# KiCad board Si5351ABreakout_panel.kicad_pcb (continued)
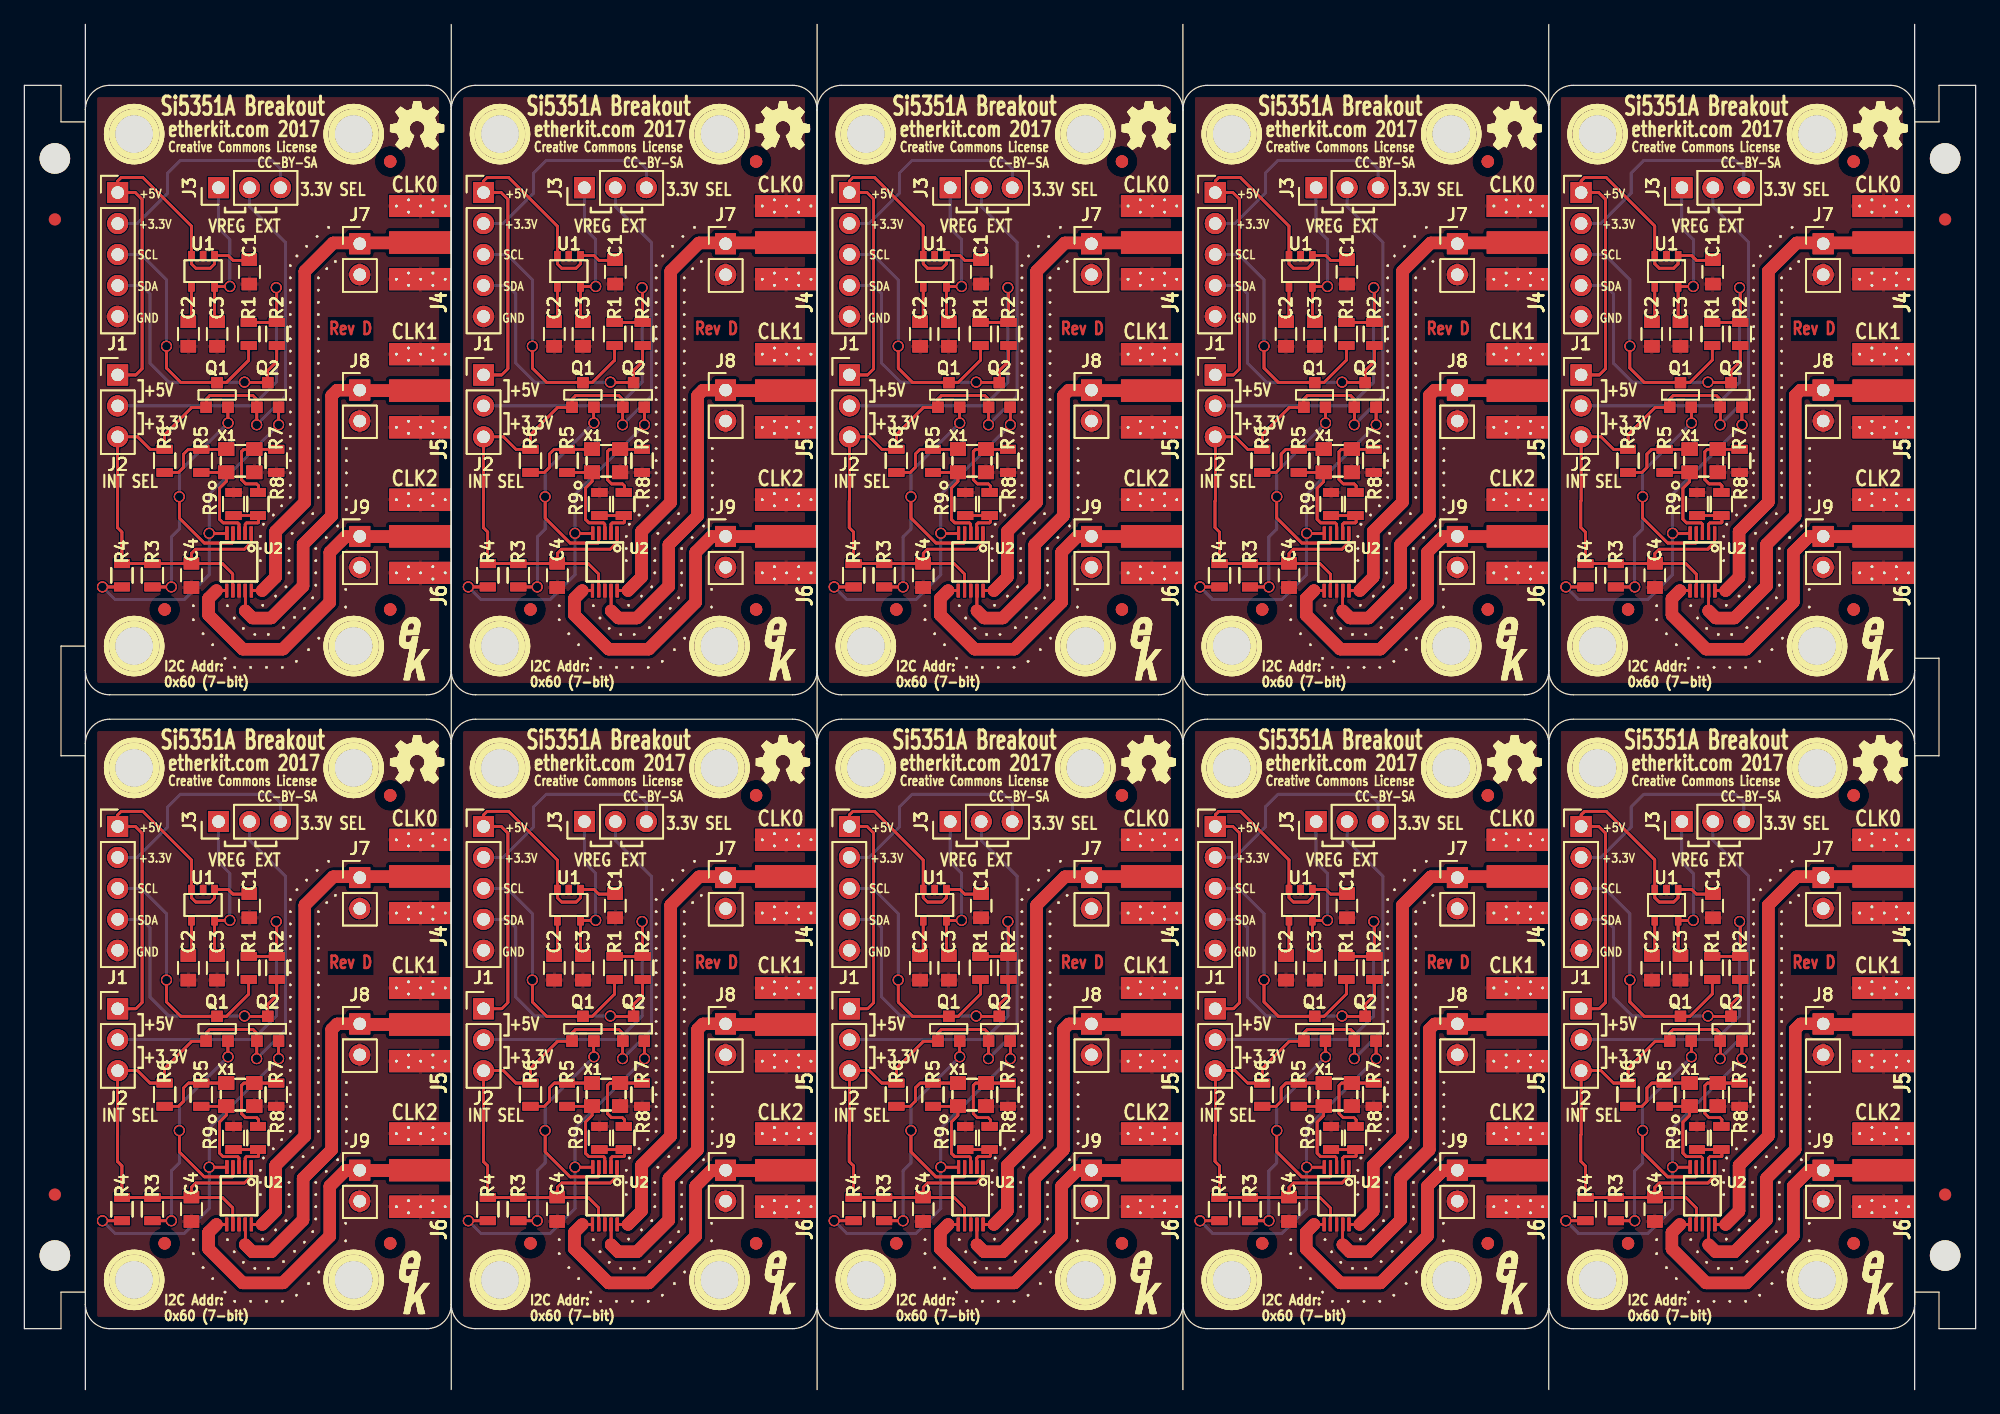
[diagram p0: board, top side]
## Routing (per net, layer and track width the routed paths; a pad name or vN(x,y) marks a point on that pad's centre or on a via; arc(x,y) is an arc through that point) (continued)
Net-(J2-Pad2): length 1069.1
  Top w0.2: R2.1 20.7,90.35 ; R2.1 20.7,90.35 ; R2.1 20.7,90.35 ; R2.1 20.7,90.35 ; 20.7,90.35 v1(20.65,90.4) ; 20.7,90.35 v1(20.65,90.4) ; 20.7,90.35 v1(20.65,90.4) ; 20.7,90.35 v1(20.65,90.4) ; 20.7,87.55 18.4,87.55 ; 20.7,87.55 18.4,87.55 ; 20.7,87.55 18.4,87.55 ; 20.7,87.55 18.4,87.55 ; R2#2.1 50.7,90.35 ; R2#2.1 50.7,90.35 ; R2#2.1 50.7,90.35 ; R2#2.1 50.7,90.35 ; 50.7,90.35 v1(50.65,90.4) ; 50.7,90.35 v1(50.65,90.4) ; 50.7,90.35 v1(50.65,90.4) ; 50.7,90.35 v1(50.65,90.4) ; 50.7,87.55 48.4,87.55 ; 50.7,87.55 48.4,87.55 ; 50.7,87.55 48.4,87.55 ; 50.7,87.55 48.4,87.55 ; R2#3.1 80.7,90.35 ; R2#3.1 80.7,90.35 ; R2#3.1 80.7,90.35 ; R2#3.1 80.7,90.35 ; 80.7,90.35 v1(80.65,90.4) ; 80.7,90.35 v1(80.65,90.4) ; 80.7,90.35 v1(80.65,90.4) ; 80.7,90.35 v1(80.65,90.4) ; 80.7,87.55 78.4,87.55 ; 80.7,87.55 78.4,87.55 ; 80.7,87.55 78.4,87.55 ; 80.7,87.55 78.4,87.55 ; R2#4.1 110.7,90.35 ; R2#4.1 110.7,90.35 ; R2#4.1 110.7,90.35 ; R2#4.1 110.7,90.35 ; 110.7,90.35 v1(110.65,90.4) ; 110.7,90.35 v1(110.65,90.4) ; 110.7,90.35 v1(110.65,90.4) ; 110.7,90.35 v1(110.65,90.4) ; 110.7,87.55 108.4,87.55 ; 110.7,87.55 108.4,87.55 ; 110.7,87.55 108.4,87.55 ; 110.7,87.55 108.4,87.55 ; R2#5.1 140.7,90.35 ; R2#5.1 140.7,90.35 ; R2#5.1 140.7,90.35 ; R2#5.1 140.7,90.35 ; 140.7,90.35 v1(140.65,90.4) ; 140.7,90.35 v1(140.65,90.4) ; 140.7,90.35 v1(140.65,90.4) ; 140.7,90.35 v1(140.65,90.4) ; 140.7,87.55 138.4,87.55 ; 140.7,87.55 138.4,87.55 ; 140.7,87.55 138.4,87.55 ; 140.7,87.55 138.4,87.55 ; 110.7,38.35 v1(110.65,38.4) ; 110.7,38.35 v1(110.65,38.4) ; 110.7,38.35 v1(110.65,38.4) ; 110.7,38.35 v1(110.65,38.4) ; 110.7,38.35 R2#37.1 ; 110.7,38.35 R2#37.1 ; 110.7,38.35 R2#37.1 ; 110.7,38.35 R2#37.1 ; 140.7,38.35 v1(140.65,38.4) ; 140.7,38.35 v1(140.65,38.4) ; 140.7,38.35 v1(140.65,38.4) ; 140.7,38.35 v1(140.65,38.4) ; 140.7,38.35 R2#33.1 ; 140.7,38.35 R2#33.1 ; 140.7,38.35 R2#33.1 ; 140.7,38.35 R2#33.1 ; 140.7,35.55 138.4,35.55 ; 140.7,35.55 138.4,35.55 ; 140.7,35.55 138.4,35.55 ; 140.7,35.55 138.4,35.55 ; 110.7,35.55 108.4,35.55 ; 110.7,35.55 108.4,35.55 ; 110.7,35.55 108.4,35.55 ; 110.7,35.55 108.4,35.55 ; R2#25.1 80.7,38.35 ; R2#25.1 80.7,38.35 ; R2#25.1 80.7,38.35 ; R2#25.1 80.7,38.35 ; 80.7,38.35 v1(80.65,38.4) ; 80.7,38.35 v1(80.65,38.4) ; 80.7,38.35 v1(80.65,38.4) ; 80.7,38.35 v1(80.65,38.4) ; 80.7,35.55 78.4,35.55 ; 80.7,35.55 78.4,35.55 ; 80.7,35.55 78.4,35.55 ; 80.7,35.55 78.4,35.55 ; 20.7,35.55 18.4,35.55 ; 20.7,35.55 18.4,35.55 ; 20.7,35.55 18.4,35.55 ; 20.7,35.55 18.4,35.55 ; 20.7,38.35 v1(20.65,38.4) ; 20.7,38.35 v1(20.65,38.4) ; 20.7,38.35 R2#21.1 ; 20.7,38.35 R2#21.1 ; 20.7,38.35 v1(20.65,38.4) ; 20.7,38.35 v1(20.65,38.4) ; 20.7,38.35 R2#21.1 ; 20.7,38.35 R2#21.1 ; R2#29.1 50.7,38.35 ; R2#29.1 50.7,38.35 ; R2#29.1 50.7,38.35 ; R2#29.1 50.7,38.35 ; 50.7,38.35 v1(50.65,38.4) ; 50.7,38.35 v1(50.65,38.4) ; 50.7,38.35 v1(50.65,38.4) ; 50.7,38.35 v1(50.65,38.4) ; 50.7,35.55 48.4,35.55 ; 50.7,35.55 48.4,35.55 ; 50.7,35.55 48.4,35.55 ; 50.7,35.55 48.4,35.55
  Bottom w0.2: 18.7,80.7 20.65,82.65 ; 18.7,80.7 J2.2 ; 18.7,80.7 20.65,82.65 ; 18.7,80.7 20.65,82.65 ; 18.7,80.7 J2.2 ; 18.7,80.7 J2.2 ; 18.7,80.7 20.65,82.65 ; 18.7,80.7 J2.2 ; 20.65,82.65 v1(20.65,90.4) ; 20.65,82.65 v1(20.65,90.4) ; 20.65,82.65 v1(20.65,90.4) ; 20.65,82.65 v1(20.65,90.4) ; 48.7,80.7 50.65,82.65 ; 48.7,80.7 J2#2.2 ; 48.7,80.7 50.65,82.65 ; 48.7,80.7 50.65,82.65 ; 48.7,80.7 J2#2.2 ; 48.7,80.7 J2#2.2 ; 48.7,80.7 50.65,82.65 ; 48.7,80.7 J2#2.2 ; 50.65,82.65 v1(50.65,90.4) ; 50.65,82.65 v1(50.65,90.4) ; 50.65,82.65 v1(50.65,90.4) ; 50.65,82.65 v1(50.65,90.4) ; 78.7,80.7 80.65,82.65 ; 78.7,80.7 J2#3.2 ; 78.7,80.7 80.65,82.65 ; 78.7,80.7 80.65,82.65 ; 78.7,80.7 J2#3.2 ; 78.7,80.7 J2#3.2 ; 78.7,80.7 80.65,82.65 ; 78.7,80.7 J2#3.2 ; 80.65,82.65 v1(80.65,90.4) ; 80.65,82.65 v1(80.65,90.4) ; 80.65,82.65 v1(80.65,90.4) ; 80.65,82.65 v1(80.65,90.4) ; 108.7,80.7 110.65,82.65 ; 108.7,80.7 J2#4.2 ; 108.7,80.7 110.65,82.65 ; 108.7,80.7 110.65,82.65 ; 108.7,80.7 J2#4.2 ; 108.7,80.7 J2#4.2 ; 108.7,80.7 110.65,82.65 ; 108.7,80.7 J2#4.2 ; 110.65,82.65 v1(110.65,90.4) ; 110.65,82.65 v1(110.65,90.4) ; 110.65,82.65 v1(110.65,90.4) ; 110.65,82.65 v1(110.65,90.4) ; 138.7,80.7 140.65,82.65 ; 138.7,80.7 J2#5.2 ; 138.7,80.7 140.65,82.65 ; 138.7,80.7 140.65,82.65 ; 138.7,80.7 J2#5.2 ; 138.7,80.7 J2#5.2 ; 138.7,80.7 140.65,82.65 ; 138.7,80.7 J2#5.2 ; 140.65,82.65 v1(140.65,90.4) ; 140.65,82.65 v1(140.65,90.4) ; 140.65,82.65 v1(140.65,90.4) ; 140.65,82.65 v1(140.65,90.4) ; 138.7,28.7 J2#33.2 ; 138.7,28.7 J2#33.2 ; 138.7,28.7 J2#33.2 ; 138.7,28.7 140.65,30.65 ; 138.7,28.7 140.65,30.65 ; 138.7,28.7 140.65,30.65 ; 138.7,28.7 140.65,30.65 ; 138.7,28.7 J2#33.2 ; 140.65,30.65 v1(140.65,38.4) ; 140.65,30.65 v1(140.65,38.4) ; 140.65,30.65 v1(140.65,38.4) ; 140.65,30.65 v1(140.65,38.4) ; 108.7,28.7 110.65,30.65 ; 108.7,28.7 110.65,30.65 ; 108.7,28.7 110.65,30.65 ; 108.7,28.7 110.65,30.65 ; 108.7,28.7 J2#37.2 ; 108.7,28.7 J2#37.2 ; 108.7,28.7 J2#37.2 ; 108.7,28.7 J2#37.2 ; 110.65,30.65 v1(110.65,38.4) ; 110.65,30.65 v1(110.65,38.4) ; 110.65,30.65 v1(110.65,38.4) ; 110.65,30.65 v1(110.65,38.4) ; 78.7,28.7 80.65,30.65 ; 78.7,28.7 80.65,30.65 ; 78.7,28.7 80.65,30.65 ; 78.7,28.7 80.65,30.65 ; 78.7,28.7 J2#21.2 ; 78.7,28.7 J2#21.2 ; 78.7,28.7 J2#21.2 ; 78.7,28.7 J2#21.2 ; 80.65,30.65 v1(80.65,38.4) ; 80.65,30.65 v1(80.65,38.4) ; 80.65,30.65 v1(80.65,38.4) ; 80.65,30.65 v1(80.65,38.4) ; 48.7,28.7 50.65,30.65 ; 48.7,28.7 50.65,30.65 ; 48.7,28.7 50.65,30.65 ; 48.7,28.7 50.65,30.65 ; 48.7,28.7 J2#29.2 ; 48.7,28.7 J2#29.2 ; 48.7,28.7 J2#29.2 ; 48.7,28.7 J2#29.2 ; 50.65,30.65 v1(50.65,38.4) ; 50.65,30.65 v1(50.65,38.4) ; 50.65,30.65 v1(50.65,38.4) ; 50.65,30.65 v1(50.65,38.4) ; 20.65,30.65 v1(20.65,38.4) ; 20.65,30.65 18.7,28.7 ; 20.65,30.65 v1(20.65,38.4) ; 20.65,30.65 v1(20.65,38.4) ; 20.65,30.65 18.7,28.7 ; 20.65,30.65 v1(20.65,38.4) ; 20.65,30.65 18.7,28.7 ; 20.65,30.65 18.7,28.7 ; 18.7,28.7 J2#25.2 ; 18.7,28.7 J2#25.2 ; 18.7,28.7 J2#25.2 ; 18.7,28.7 J2#25.2
Net-(J4-Pad1): length 1562.1
  Top w0.2: 32.43,94.07 J4.1 ; 32.43,94.07 J4.1 ; 32.43,94.07 J4.1 ; 32.43,94.07 J4.1 ; 32.43,94.07 J4.1 ; 32.43,94.07 J4.1 ; 32.43,94.07 J4.1 ; 32.43,94.07 J4.1 ; 62.43,94.07 J4#2.1 ; 62.43,94.07 J4#2.1 ; 62.43,94.07 J4#2.1 ; 62.43,94.07 J4#2.1 ; 62.43,94.07 J4#2.1 ; 62.43,94.07 J4#2.1 ; 62.43,94.07 J4#2.1 ; 62.43,94.07 J4#2.1 ; 92.43,94.07 J4#3.1 ; 92.43,94.07 J4#3.1 ; 92.43,94.07 J4#3.1 ; 92.43,94.07 J4#3.1 ; 92.43,94.07 J4#3.1 ; 92.43,94.07 J4#3.1 ; 92.43,94.07 J4#3.1 ; 92.43,94.07 J4#3.1 ; 122.43,94.07 J4#4.1 ; 122.43,94.07 J4#4.1 ; 122.43,94.07 J4#4.1 ; 122.43,94.07 J4#4.1 ; 122.43,94.07 J4#4.1 ; 122.43,94.07 J4#4.1 ; 122.43,94.07 J4#4.1 ; 122.43,94.07 J4#4.1 ; 152.43,94.07 J4#5.1 ; 152.43,94.07 J4#5.1 ; 152.43,94.07 J4#5.1 ; 152.43,94.07 J4#5.1 ; 152.43,94.07 J4#5.1 ; 152.43,94.07 J4#5.1 ; 152.43,94.07 J4#5.1 ; 152.43,94.07 J4#5.1 ; 19.5,65.55 18.66,65.55 ; 19.5,65.55 18.66,65.55 ; 19.5,65.55 18.66,65.55 ; 19.5,65.55 18.66,65.55 ; 49.5,65.55 48.66,65.55 ; 49.5,65.55 48.66,65.55 ; 49.5,65.55 48.66,65.55 ; 49.5,65.55 48.66,65.55 ; 79.5,65.55 78.66,65.55 ; 79.5,65.55 78.66,65.55 ; 79.5,65.55 78.66,65.55 ; 79.5,65.55 78.66,65.55 ; 109.5,65.55 108.66,65.55 ; 109.5,65.55 108.66,65.55 ; 109.5,65.55 108.66,65.55 ; 109.5,65.55 108.66,65.55 ; 139.5,65.55 138.66,65.55 ; 139.5,65.55 138.66,65.55 ; 139.5,65.55 138.66,65.55 ; 139.5,65.55 138.66,65.55 ; 109.5,13.55 108.66,13.55 ; 109.5,13.55 108.66,13.55 ; 109.5,13.55 108.66,13.55 ; 109.5,13.55 108.66,13.55 ; 139.5,13.55 138.66,13.55 ; 139.5,13.55 138.66,13.55 ; 139.5,13.55 138.66,13.55 ; 139.5,13.55 138.66,13.55 ; 122.43,42.07 J4#33.1 ; 122.43,42.07 J4#33.1 ; 122.43,42.07 J4#33.1 ; 122.43,42.07 J4#33.1 ; 122.43,42.07 J4#33.1 ; 122.43,42.07 J4#33.1 ; 122.43,42.07 J4#33.1 ; 122.43,42.07 J4#33.1 ; 152.43,42.07 J4#29.1 ; 152.43,42.07 J4#29.1 ; 152.43,42.07 J4#29.1 ; 152.43,42.07 J4#29.1 ; 152.43,42.07 J4#29.1 ; 152.43,42.07 J4#29.1 ; 152.43,42.07 J4#29.1 ; 152.43,42.07 J4#29.1 ; 79.5,13.55 78.66,13.55 ; 79.5,13.55 78.66,13.55 ; 79.5,13.55 78.66,13.55 ; 79.5,13.55 78.66,13.55 ; 62.43,42.07 J4#25.1 ; 62.43,42.07 J4#25.1 ; 62.43,42.07 J4#25.1 ; 62.43,42.07 J4#25.1 ; 62.43,42.07 J4#25.1 ; 62.43,42.07 J4#25.1 ; 62.43,42.07 J4#25.1 ; 62.43,42.07 J4#25.1 ; 92.43,42.07 J4#37.1 ; 92.43,42.07 J4#37.1 ; 92.43,42.07 J4#37.1 ; 92.43,42.07 J4#37.1 ; 92.43,42.07 J4#37.1 ; 92.43,42.07 J4#37.1 ; 92.43,42.07 J4#37.1 ; 92.43,42.07 J4#37.1 ; 32.43,42.07 J4#21.1 ; 32.43,42.07 J4#21.1 ; 32.43,42.07 J4#21.1 ; 32.43,42.07 J4#21.1 ; 32.43,42.07 J4#21.1 ; 32.43,42.07 J4#21.1 ; 32.43,42.07 J4#21.1 ; 32.43,42.07 J4#21.1 ; 49.5,13.55 48.66,13.55 ; 49.5,13.55 48.66,13.55 ; 49.5,13.55 48.66,13.55 ; 49.5,13.55 48.66,13.55 ; 19.5,13.55 18.66,13.55 ; 19.5,13.55 18.66,13.55 ; 19.5,13.55 18.66,13.55 ; 19.5,13.55 18.66,13.55
  Top w0.3: 32.43,94.07 J4.1 ; 32.43,94.07 J4.1 ; 32.43,94.07 J4.1 ; 32.43,94.07 J4.1 ; 62.43,94.07 J4#2.1 ; 62.43,94.07 J4#2.1 ; 62.43,94.07 J4#2.1 ; 62.43,94.07 J4#2.1 ; 92.43,94.07 J4#3.1 ; 92.43,94.07 J4#3.1 ; 92.43,94.07 J4#3.1 ; 92.43,94.07 J4#3.1 ; 122.43,94.07 J4#4.1 ; 122.43,94.07 J4#4.1 ; 122.43,94.07 J4#4.1 ; 122.43,94.07 J4#4.1 ; 152.43,94.07 J4#5.1 ; 152.43,94.07 J4#5.1 ; 152.43,94.07 J4#5.1 ; 152.43,94.07 J4#5.1 ; 122.43,42.07 J4#33.1 ; 122.43,42.07 J4#33.1 ; 122.43,42.07 J4#33.1 ; 122.43,42.07 J4#33.1 ; 152.43,42.07 J4#29.1 ; 152.43,42.07 J4#29.1 ; 152.43,42.07 J4#29.1 ; 152.43,42.07 J4#29.1 ; 62.43,42.07 J4#25.1 ; 62.43,42.07 J4#25.1 ; 62.43,42.07 J4#25.1 ; 62.43,42.07 J4#25.1 ; 92.43,42.07 J4#37.1 ; 92.43,42.07 J4#37.1 ; 92.43,42.07 J4#37.1 ; 92.43,42.07 J4#37.1 ; 32.43,42.07 J4#21.1 ; 32.43,42.07 J4#21.1 ; 32.43,42.07 J4#21.1 ; 32.43,42.07 J4#21.1
  Top w1: 19.5,65.55 20.6,66.65 ; 19.5,65.55 20.6,66.65 ; 19.5,65.55 20.6,66.65 ; 19.5,65.55 20.6,66.65 ; 20.6,66.65 20.6,70.4 ; 20.6,66.65 20.6,70.4 ; 20.6,66.65 20.6,70.4 ; 20.6,66.65 20.6,70.4 ; 49.5,65.55 50.6,66.65 ; 49.5,65.55 50.6,66.65 ; 49.5,65.55 50.6,66.65 ; 49.5,65.55 50.6,66.65 ; 50.6,66.65 50.6,70.4 ; 50.6,66.65 50.6,70.4 ; 50.6,66.65 50.6,70.4 ; 50.6,66.65 50.6,70.4 ; 79.5,65.55 80.6,66.65 ; 79.5,65.55 80.6,66.65 ; 79.5,65.55 80.6,66.65 ; 79.5,65.55 80.6,66.65 ; 80.6,66.65 80.6,70.4 ; 80.6,66.65 80.6,70.4 ; 80.6,66.65 80.6,70.4 ; 80.6,66.65 80.6,70.4 ; 109.5,65.55 110.6,66.65 ; 109.5,65.55 110.6,66.65 ; 109.5,65.55 110.6,66.65 ; 109.5,65.55 110.6,66.65 ; 110.6,66.65 110.6,70.4 ; 110.6,66.65 110.6,70.4 ; 110.6,66.65 110.6,70.4 ; 110.6,66.65 110.6,70.4 ; 139.5,65.55 140.6,66.65 ; 139.5,65.55 140.6,66.65 ; 139.5,65.55 140.6,66.65 ; 139.5,65.55 140.6,66.65 ; 140.6,66.65 140.6,70.4 ; 140.6,66.65 140.6,70.4 ; 140.6,66.65 140.6,70.4 ; 140.6,66.65 140.6,70.4 ; 20.6,70.4 23,72.8 ; 20.6,70.4 23,72.8 ; 20.6,70.4 23,72.8 ; 20.6,70.4 23,72.8 ; 50.6,70.4 53,72.8 ; 50.6,70.4 53,72.8 ; 50.6,70.4 53,72.8 ; 50.6,70.4 53,72.8 ; 80.6,70.4 83,72.8 ; 80.6,70.4 83,72.8 ; 80.6,70.4 83,72.8 ; 80.6,70.4 83,72.8 ; 110.6,70.4 113,72.8 ; 110.6,70.4 113,72.8 ; 110.6,70.4 113,72.8 ; 110.6,70.4 113,72.8 ; 140.6,70.4 143,72.8 ; 140.6,70.4 143,72.8 ; 140.6,70.4 143,72.8 ; 140.6,70.4 143,72.8 ; 23,72.8 23,91.75 ; 23,72.8 23,91.75 ; 23,72.8 23,91.75 ; 23,72.8 23,91.75 ; 53,72.8 53,91.75 ; 53,72.8 53,91.75 ; 53,72.8 53,91.75 ; 53,72.8 53,91.75 ; 83,72.8 83,91.75 ; 83,72.8 83,91.75 ; 83,72.8 83,91.75 ; 83,72.8 83,91.75 ; 113,72.8 113,91.75 ; 113,72.8 113,91.75 ; 113,72.8 113,91.75 ; 113,72.8 113,91.75 ; 143,72.8 143,91.75 ; 143,72.8 143,91.75 ; 143,72.8 143,91.75 ; 143,72.8 143,91.75 ; 23,91.75 25.32,94.07 ; 23,91.75 25.32,94.07 ; 23,91.75 25.32,94.07 ; 23,91.75 25.32,94.07 ; 53,91.75 55.32,94.07 ; 53,91.75 55.32,94.07 ; 53,91.75 55.32,94.07 ; 53,91.75 55.32,94.07 ; 83,91.75 85.32,94.07 ; 83,91.75 85.32,94.07 ; 83,91.75 85.32,94.07 ; 83,91.75 85.32,94.07 ; 113,91.75 115.32,94.07 ; 113,91.75 115.32,94.07 ; 113,91.75 115.32,94.07 ; 113,91.75 115.32,94.07 ; 143,91.75 145.32,94.07 ; 143,91.75 145.32,94.07 ; 143,91.75 145.32,94.07 ; 143,91.75 145.32,94.07 ; 25.32,94.07 27.5,94.07 ; 25.32,94.07 27.5,94.07 ; 25.32,94.07 27.5,94.07 ; 25.32,94.07 27.5,94.07 ; 55.32,94.07 57.5,94.07 ; 55.32,94.07 57.5,94.07 ; 55.32,94.07 57.5,94.07 ; 55.32,94.07 57.5,94.07 ; 85.32,94.07 87.5,94.07 ; 85.32,94.07 87.5,94.07 ; 85.32,94.07 87.5,94.07 ; 85.32,94.07 87.5,94.07 ; 115.32,94.07 117.5,94.07 ; 115.32,94.07 117.5,94.07 ; 115.32,94.07 117.5,94.07 ; 115.32,94.07 117.5,94.07 ; 145.32,94.07 147.5,94.07 ; 145.32,94.07 147.5,94.07 ; 145.32,94.07 147.5,94.07 ; 145.32,94.07 147.5,94.07 ; 32.43,94.07 J4.1 ; 32.43,94.07 J4.1 ; 32.43,94.07 27.5,94.07 ; 32.43,94.07 27.5,94.07 ; 32.43,94.07 J4.1 ; 32.43,94.07 J4.1 ; 32.43,94.07 27.5,94.07 ; 32.43,94.07 27.5,94.07 ; 62.43,94.07 J4#2.1 ; 62.43,94.07 J4#2.1 ; 62.43,94.07 57.5,94.07 ; 62.43,94.07 57.5,94.07 ; 62.43,94.07 J4#2.1 ; 62.43,94.07 J4#2.1 ; 62.43,94.07 57.5,94.07 ; 62.43,94.07 57.5,94.07 ; 92.43,94.07 J4#3.1 ; 92.43,94.07 J4#3.1 ; 92.43,94.07 87.5,94.07 ; 92.43,94.07 87.5,94.07 ; 92.43,94.07 J4#3.1 ; 92.43,94.07 J4#3.1 ; 92.43,94.07 87.5,94.07 ; 92.43,94.07 87.5,94.07 ; 122.43,94.07 J4#4.1 ; 122.43,94.07 J4#4.1 ; 122.43,94.07 117.5,94.07 ; 122.43,94.07 117.5,94.07 ; 122.43,94.07 J4#4.1 ; 122.43,94.07 J4#4.1 ; 122.43,94.07 117.5,94.07 ; 122.43,94.07 117.5,94.07 ; 152.43,94.07 J4#5.1 ; 152.43,94.07 J4#5.1 ; 152.43,94.07 147.5,94.07 ; 152.43,94.07 147.5,94.07 ; 152.43,94.07 J4#5.1 ; 152.43,94.07 J4#5.1 ; 152.43,94.07 147.5,94.07 ; 152.43,94.07 147.5,94.07 ; 109.5,13.55 110.6,14.65 ; 109.5,13.55 110.6,14.65 ; 109.5,13.55 110.6,14.65 ; 109.5,13.55 110.6,14.65 ; 110.6,14.65 110.6,18.4 ; 110.6,14.65 110.6,18.4 ; 110.6,14.65 110.6,18.4 ; 110.6,14.65 110.6,18.4 ; 143,20.8 143,39.75 ; 143,20.8 143,39.75 ; 143,20.8 143,39.75 ; 143,20.8 143,39.75 ; 143,20.8 140.6,18.4 ; 143,20.8 140.6,18.4 ; 143,20.8 140.6,18.4 ; 143,20.8 140.6,18.4 ; 143,39.75 145.32,42.07 ; 143,39.75 145.32,42.07 ; 143,39.75 145.32,42.07 ; 143,39.75 145.32,42.07 ; 152.43,42.07 J4#29.1 ; 152.43,42.07 J4#29.1 ; 152.43,42.07 J4#29.1 ; 152.43,42.07 J4#29.1 ; 152.43,42.07 147.5,42.07 ; 152.43,42.07 147.5,42.07 ; 152.43,42.07 147.5,42.07 ; 152.43,42.07 147.5,42.07 ; 140.6,18.4 140.6,14.65 ; 140.6,18.4 140.6,14.65 ; 140.6,18.4 140.6,14.65 ; 140.6,18.4 140.6,14.65 ; 110.6,18.4 113,20.8 ; 110.6,18.4 113,20.8 ; 110.6,18.4 113,20.8 ; 110.6,18.4 113,20.8 ; 113,20.8 113,39.75 ; 113,20.8 113,39.75 ; 113,20.8 113,39.75 ; 113,20.8 113,39.75 ; 113,39.75 115.32,42.07 ; 113,39.75 115.32,42.07 ; 113,39.75 115.32,42.07 ; 113,39.75 115.32,42.07 ; 139.5,13.55 140.6,14.65 ; 139.5,13.55 140.6,14.65 ; 139.5,13.55 140.6,14.65 ; 139.5,13.55 140.6,14.65 ; 117.5,42.07 115.32,42.07 ; 117.5,42.07 115.32,42.07 ; 117.5,42.07 115.32,42.07 ; 117.5,42.07 115.32,42.07 ; 117.5,42.07 122.43,42.07 ; 117.5,42.07 122.43,42.07 ; 117.5,42.07 122.43,42.07 ; 117.5,42.07 122.43,42.07 ; 122.43,42.07 J4#33.1 ; 122.43,42.07 J4#33.1 ; 122.43,42.07 J4#33.1 ; 122.43,42.07 J4#33.1 ; 145.32,42.07 147.5,42.07 ; 145.32,42.07 147.5,42.07 ; 145.32,42.07 147.5,42.07 ; 145.32,42.07 147.5,42.07 ; 80.6,14.65 80.6,18.4 ; 80.6,14.65 80.6,18.4 ; 80.6,14.65 80.6,18.4 ; 80.6,14.65 80.6,18.4 ; 80.6,14.65 79.5,13.55 ; 80.6,14.65 79.5,13.55 ; 80.6,14.65 79.5,13.55 ; 80.6,14.65 79.5,13.55 ; 80.6,18.4 83,20.8 ; 80.6,18.4 83,20.8 ; 80.6,18.4 83,20.8 ; 80.6,18.4 83,20.8 ; 83,20.8 83,39.75 ; 83,20.8 83,39.75 ; 83,20.8 83,39.75 ; 83,20.8 83,39.75 ; 62.43,42.07 J4#25.1 ; 62.43,42.07 J4#25.1 ; 62.43,42.07 J4#25.1 ; 62.43,42.07 57.5,42.07 ; 62.43,42.07 J4#25.1 ; 62.43,42.07 57.5,42.07 ; 62.43,42.07 57.5,42.07 ; 62.43,42.07 57.5,42.07 ; 57.5,42.07 55.32,42.07 ; 57.5,42.07 55.32,42.07 ; 57.5,42.07 55.32,42.07 ; 57.5,42.07 55.32,42.07 ; 55.32,42.07 53,39.75 ; 55.32,42.07 53,39.75 ; 55.32,42.07 53,39.75 ; 55.32,42.07 53,39.75 ; 53,39.75 53,20.8 ; 53,39.75 53,20.8 ; 53,39.75 53,20.8 ; 53,39.75 53,20.8 ; 49.5,13.55 50.6,14.65 ; 49.5,13.55 50.6,14.65 ; 49.5,13.55 50.6,14.65 ; 49.5,13.55 50.6,14.65 ; 50.6,14.65 50.6,18.4 ; 50.6,14.65 50.6,18.4 ; 50.6,14.65 50.6,18.4 ; 50.6,14.65 50.6,18.4 ; 53,20.8 50.6,18.4 ; 53,20.8 50.6,18.4 ; 53,20.8 50.6,18.4 ; 53,20.8 50.6,18.4 ; 83,39.75 85.32,42.07 ; 83,39.75 85.32,42.07 ; 83,39.75 85.32,42.07 ; 83,39.75 85.32,42.07 ; 92.43,42.07 J4#37.1 ; 92.43,42.07 J4#37.1 ; 92.43,42.07 87.5,42.07 ; 92.43,42.07 J4#37.1 ; 92.43,42.07 J4#37.1 ; 92.43,42.07 87.5,42.07 ; 92.43,42.07 87.5,42.07 ; 92.43,42.07 87.5,42.07 ; 87.5,42.07 85.32,42.07 ; 87.5,42.07 85.32,42.07 ; 87.5,42.07 85.32,42.07 ; 87.5,42.07 85.32,42.07 ; 23,39.75 25.32,42.07 ; 23,39.75 25.32,42.07 ; 23,39.75 25.32,42.07 ; 23,39.75 25.32,42.07 ; 23,39.75 23,20.8 ; 23,39.75 23,20.8 ; 23,39.75 23,20.8 ; 23,39.75 23,20.8 ; 25.32,42.07 27.5,42.07 ; 25.32,42.07 27.5,42.07 ; 25.32,42.07 27.5,42.07 ; 25.32,42.07 27.5,42.07 ; 27.5,42.07 32.43,42.07 ; 27.5,42.07 32.43,42.07 ; 27.5,42.07 32.43,42.07 ; 27.5,42.07 32.43,42.07 ; 32.43,42.07 J4#21.1 ; 32.43,42.07 J4#21.1 ; 32.43,42.07 J4#21.1 ; 32.43,42.07 J4#21.1 ; 23,20.8 20.6,18.4 ; 23,20.8 20.6,18.4 ; 23,20.8 20.6,18.4 ; 23,20.8 20.6,18.4 ; 20.6,18.4 20.6,14.65 ; 20.6,18.4 20.6,14.65 ; 20.6,18.4 20.6,14.65 ; 20.6,18.4 20.6,14.65 ; 19.5,13.55 20.6,14.65 ; 19.5,13.55 20.6,14.65 ; 19.5,13.55 20.6,14.65 ; 19.5,13.55 20.6,14.65
Net-(J5-Pad1): length 1272.5
  Top w0.2: 18.11,63.89 18.11,65.56 ; 18.11,63.89 18.11,65.56 ; 18.11,63.89 18.11,65.56 ; 18.11,63.89 18.11,65.56 ; 48.11,63.89 48.11,65.56 ; 48.11,63.89 48.11,65.56 ; 48.11,63.89 48.11,65.56 ; 48.11,63.89 48.11,65.56 ; 78.11,63.89 78.11,65.56 ; 78.11,63.89 78.11,65.56 ; 78.11,63.89 78.11,65.56 ; 78.11,63.89 78.11,65.56 ; 108.11,63.89 108.11,65.56 ; 108.11,63.89 108.11,65.56 ; 108.11,63.89 108.11,65.56 ; 108.11,63.89 108.11,65.56 ; 138.11,63.89 138.11,65.56 ; 138.11,63.89 138.11,65.56 ; 138.11,63.89 138.11,65.56 ; 138.11,63.89 138.11,65.56 ; 108.11,11.89 108.11,13.56 ; 108.11,11.89 108.11,13.56 ; 108.11,11.89 108.11,13.56 ; 108.11,11.89 108.11,13.56 ; 138.11,11.89 138.11,13.56 ; 138.11,11.89 138.11,13.56 ; 138.11,11.89 138.11,13.56 ; 138.11,11.89 138.11,13.56 ; 78.11,11.89 78.11,13.56 ; 78.11,11.89 78.11,13.56 ; 78.11,11.89 78.11,13.56 ; 78.11,11.89 78.11,13.56 ; 48.11,11.89 48.11,13.56 ; 48.11,11.89 48.11,13.56 ; 48.11,11.89 48.11,13.56 ; 48.11,11.89 48.11,13.56 ; 18.11,11.89 18.11,13.56 ; 18.11,11.89 18.11,13.56 ; 18.11,11.89 18.11,13.56 ; 18.11,11.89 18.11,13.56
  Top w1: 18.7,63.3 18.11,63.89 ; 18.7,63.3 20.23,63.3 ; 18.7,63.3 20.23,63.3 ; 18.7,63.3 18.11,63.89 ; 18.7,63.3 18.11,63.89 ; 18.7,63.3 20.23,63.3 ; 18.7,63.3 20.23,63.3 ; 18.7,63.3 18.11,63.89 ; 20.23,63.3 22.85,65.92 ; 20.23,63.3 22.85,65.92 ; 20.23,63.3 22.85,65.92 ; 20.23,63.3 22.85,65.92 ; 22.85,65.92 22.85,69.33 ; 22.85,65.92 22.85,69.33 ; 22.85,65.92 22.85,69.33 ; 22.85,65.92 22.85,69.33 ; 22.85,69.33 25.2,71.68 ; 22.85,69.33 25.2,71.68 ; 22.85,69.33 25.2,71.68 ; 22.85,69.33 25.2,71.68 ; 25.2,71.68 25.2,81.55 ; 25.2,71.68 25.2,81.55 ; 25.2,71.68 25.2,81.55 ; 25.2,71.68 25.2,81.55 ; 25.2,81.55 25.65,82 ; 25.2,81.55 25.65,82 ; 25.2,81.55 25.65,82 ; 25.2,81.55 25.65,82 ; J8.1 25.65,82 ; J8.1 27.55,81.95 ; J8.1 27.55,81.95 ; J8.1 25.65,82 ; J8.1 25.65,82 ; J8.1 27.55,81.95 ; J8.1 27.55,81.95 ; J8.1 25.65,82 ; J5.1 27.55,81.95 ; J5.1 27.55,81.95 ; J5.1 27.55,81.95 ; J5.1 27.55,81.95 ; 48.7,63.3 48.11,63.89 ; 48.7,63.3 50.23,63.3 ; 48.7,63.3 50.23,63.3 ; 48.7,63.3 48.11,63.89 ; 48.7,63.3 48.11,63.89 ; 48.7,63.3 50.23,63.3 ; 48.7,63.3 48.11,63.89 ; 48.7,63.3 50.23,63.3 ; 50.23,63.3 52.85,65.92 ; 50.23,63.3 52.85,65.92 ; 50.23,63.3 52.85,65.92 ; 50.23,63.3 52.85,65.92 ; 52.85,65.92 52.85,69.33 ; 52.85,65.92 52.85,69.33 ; 52.85,65.92 52.85,69.33 ; 52.85,65.92 52.85,69.33 ; 52.85,69.33 55.2,71.68 ; 52.85,69.33 55.2,71.68 ; 52.85,69.33 55.2,71.68 ; 52.85,69.33 55.2,71.68 ; 55.2,71.68 55.2,81.55 ; 55.2,71.68 55.2,81.55 ; 55.2,71.68 55.2,81.55 ; 55.2,71.68 55.2,81.55 ; 55.2,81.55 55.65,82 ; 55.2,81.55 55.65,82 ; 55.2,81.55 55.65,82 ; 55.2,81.55 55.65,82 ; J8#2.1 55.65,82 ; J8#2.1 57.55,81.95 ; J8#2.1 57.55,81.95 ; J8#2.1 55.65,82 ; J8#2.1 55.65,82 ; J8#2.1 57.55,81.95 ; J8#2.1 57.55,81.95 ; J8#2.1 55.65,82 ; J5#2.1 57.55,81.95 ; J5#2.1 57.55,81.95 ; J5#2.1 57.55,81.95 ; J5#2.1 57.55,81.95 ; 78.7,63.3 78.11,63.89 ; 78.7,63.3 80.23,63.3 ; 78.7,63.3 80.23,63.3 ; 78.7,63.3 78.11,63.89 ; 78.7,63.3 78.11,63.89 ; 78.7,63.3 80.23,63.3 ; 78.7,63.3 78.11,63.89 ; 78.7,63.3 80.23,63.3 ; 80.23,63.3 82.85,65.92 ; 80.23,63.3 82.85,65.92 ; 80.23,63.3 82.85,65.92 ; 80.23,63.3 82.85,65.92 ; 82.85,65.92 82.85,69.33 ; 82.85,65.92 82.85,69.33 ; 82.85,65.92 82.85,69.33 ; 82.85,65.92 82.85,69.33 ; 82.85,69.33 85.2,71.68 ; 82.85,69.33 85.2,71.68 ; 82.85,69.33 85.2,71.68 ; 82.85,69.33 85.2,71.68 ; 85.2,71.68 85.2,81.55 ; 85.2,71.68 85.2,81.55 ; 85.2,71.68 85.2,81.55 ; 85.2,71.68 85.2,81.55 ; 85.2,81.55 85.65,82 ; 85.2,81.55 85.65,82 ; 85.2,81.55 85.65,82 ; 85.2,81.55 85.65,82 ; J8#3.1 85.65,82 ; J8#3.1 87.55,81.95 ; J8#3.1 87.55,81.95 ; J8#3.1 85.65,82 ; J8#3.1 85.65,82 ; J8#3.1 87.55,81.95 ; J8#3.1 87.55,81.95 ; J8#3.1 85.65,82 ; J5#3.1 87.55,81.95 ; J5#3.1 87.55,81.95 ; J5#3.1 87.55,81.95 ; J5#3.1 87.55,81.95 ; 108.7,63.3 108.11,63.89 ; 108.7,63.3 110.23,63.3 ; 108.7,63.3 110.23,63.3 ; 108.7,63.3 108.11,63.89 ; 108.7,63.3 108.11,63.89 ; 108.7,63.3 110.23,63.3 ; 108.7,63.3 108.11,63.89 ; 108.7,63.3 110.23,63.3 ; 110.23,63.3 112.85,65.92 ; 110.23,63.3 112.85,65.92 ; 110.23,63.3 112.85,65.92 ; 110.23,63.3 112.85,65.92 ; 112.85,65.92 112.85,69.33 ; 112.85,65.92 112.85,69.33 ; 112.85,65.92 112.85,69.33 ; 112.85,65.92 112.85,69.33 ; 112.85,69.33 115.2,71.68 ; 112.85,69.33 115.2,71.68 ; 112.85,69.33 115.2,71.68 ; 112.85,69.33 115.2,71.68 ; 115.2,71.68 115.2,81.55 ; 115.2,71.68 115.2,81.55 ; 115.2,71.68 115.2,81.55 ; 115.2,71.68 115.2,81.55 ; 115.2,81.55 115.65,82 ; 115.2,81.55 115.65,82 ; 115.2,81.55 115.65,82 ; 115.2,81.55 115.65,82 ; J8#4.1 115.65,82 ; J8#4.1 117.55,81.95 ; J8#4.1 117.55,81.95 ; J8#4.1 115.65,82 ; J8#4.1 115.65,82 ; J8#4.1 117.55,81.95 ; J8#4.1 117.55,81.95 ; J8#4.1 115.65,82 ; J5#4.1 117.55,81.95 ; J5#4.1 117.55,81.95 ; J5#4.1 117.55,81.95 ; J5#4.1 117.55,81.95 ; 138.7,63.3 138.11,63.89 ; 138.7,63.3 140.23,63.3 ; 138.7,63.3 140.23,63.3 ; 138.7,63.3 138.11,63.89 ; 138.7,63.3 138.11,63.89 ; 138.7,63.3 140.23,63.3 ; 138.7,63.3 140.23,63.3 ; 138.7,63.3 138.11,63.89 ; 140.23,63.3 142.85,65.92 ; 140.23,63.3 142.85,65.92 ; 140.23,63.3 142.85,65.92 ; 140.23,63.3 142.85,65.92 ; 142.85,65.92 142.85,69.33 ; 142.85,65.92 142.85,69.33 ; 142.85,65.92 142.85,69.33 ; 142.85,65.92 142.85,69.33 ; 142.85,69.33 145.2,71.68 ; 142.85,69.33 145.2,71.68 ; 142.85,69.33 145.2,71.68 ; 142.85,69.33 145.2,71.68 ; 145.2,71.68 145.2,81.55 ; 145.2,71.68 145.2,81.55 ; 145.2,71.68 145.2,81.55 ; 145.2,71.68 145.2,81.55 ; 145.2,81.55 145.65,82 ; 145.2,81.55 145.65,82 ; 145.2,81.55 145.65,82 ; 145.2,81.55 145.65,82 ; J8#5.1 145.65,82 ; J8#5.1 147.55,81.95 ; J8#5.1 147.55,81.95 ; J8#5.1 145.65,82 ; J8#5.1 145.65,82 ; J8#5.1 147.55,81.95 ; J8#5.1 145.65,82 ; J8#5.1 147.55,81.95 ; J5#5.1 147.55,81.95 ; J5#5.1 147.55,81.95 ; J5#5.1 147.55,81.95 ; J5#5.1 147.55,81.95 ; J5#33.1 117.55,29.95 ; J5#33.1 117.55,29.95 ; J5#33.1 117.55,29.95 ; J5#33.1 117.55,29.95 ; 117.55,29.95 J8#33.1 ; 117.55,29.95 J8#33.1 ; 117.55,29.95 J8#33.1 ; 117.55,29.95 J8#33.1 ; J8#33.1 115.65,30 ; J8#33.1 115.65,30 ; J8#33.1 115.65,30 ; J8#33.1 115.65,30 ; 115.65,30 115.2,29.55 ; 115.65,30 115.2,29.55 ; 115.65,30 115.2,29.55 ; 115.65,30 115.2,29.55 ; 115.2,29.55 115.2,19.68 ; 115.2,29.55 115.2,19.68 ; 115.2,29.55 115.2,19.68 ; 115.2,29.55 115.2,19.68 ; 108.7,11.3 108.11,11.89 ; 108.7,11.3 108.11,11.89 ; 108.7,11.3 108.11,11.89 ; 108.7,11.3 108.11,11.89 ; 108.7,11.3 110.23,11.3 ; 108.7,11.3 110.23,11.3 ; 108.7,11.3 110.23,11.3 ; 108.7,11.3 110.23,11.3 ; J5#29.1 147.55,29.95 ; J5#29.1 147.55,29.95 ; J5#29.1 147.55,29.95 ; J5#29.1 147.55,29.95 ; 147.55,29.95 J8#29.1 ; 147.55,29.95 J8#29.1 ; 147.55,29.95 J8#29.1 ; 147.55,29.95 J8#29.1 ; 145.2,19.68 142.85,17.33 ; 145.2,19.68 142.85,17.33 ; 145.2,19.68 142.85,17.33 ; 145.2,19.68 142.85,17.33 ; 145.2,19.68 145.2,29.55 ; 145.2,19.68 145.2,29.55 ; 145.2,19.68 145.2,29.55 ; 145.2,19.68 145.2,29.55 ; 142.85,17.33 142.85,13.92 ; 142.85,17.33 142.85,13.92 ; 142.85,17.33 142.85,13.92 ; 142.85,17.33 142.85,13.92 ; 145.2,29.55 145.65,30 ; 145.2,29.55 145.65,30 ; 145.2,29.55 145.65,30 ; 145.2,29.55 145.65,30 ; 115.2,19.68 112.85,17.33 ; 115.2,19.68 112.85,17.33 ; 115.2,19.68 112.85,17.33 ; 115.2,19.68 112.85,17.33 ; 112.85,17.33 112.85,13.92 ; 112.85,17.33 112.85,13.92 ; 112.85,17.33 112.85,13.92 ; 112.85,17.33 112.85,13.92 ; 110.23,11.3 112.85,13.92 ; 110.23,11.3 112.85,13.92 ; 110.23,11.3 112.85,13.92 ; 110.23,11.3 112.85,13.92 ; 142.85,13.92 140.23,11.3 ; 142.85,13.92 140.23,11.3 ; 142.85,13.92 140.23,11.3 ; 142.85,13.92 140.23,11.3 ; 140.23,11.3 138.7,11.3 ; 140.23,11.3 138.7,11.3 ; 140.23,11.3 138.7,11.3 ; 140.23,11.3 138.7,11.3 ; 138.7,11.3 138.11,11.89 ; 138.7,11.3 138.11,11.89 ; 138.7,11.3 138.11,11.89 ; 138.7,11.3 138.11,11.89 ; J8#29.1 145.65,30 ; J8#29.1 145.65,30 ; J8#29.1 145.65,30 ; J8#29.1 145.65,30 ; 82.85,17.33 82.85,13.92 ; 82.85,17.33 82.85,13.92 ; 82.85,17.33 82.85,13.92 ; 82.85,17.33 82.85,13.92 ; 82.85,17.33 85.2,19.68 ; 82.85,17.33 85.2,19.68 ; 82.85,17.33 85.2,19.68 ; 82.85,17.33 85.2,19.68 ; 82.85,13.92 80.23,11.3 ; 82.85,13.92 80.23,11.3 ; 82.85,13.92 80.23,11.3 ; 82.85,13.92 80.23,11.3 ; 85.2,19.68 85.2,29.55 ; 85.2,19.68 85.2,29.55 ; 85.2,19.68 85.2,29.55 ; 85.2,19.68 85.2,29.55 ; 57.55,29.95 J8#21.1 ; 57.55,29.95 J8#21.1 ; 57.55,29.95 J8#21.1 ; 57.55,29.95 J8#21.1 ; 57.55,29.95 J5#21.1 ; 57.55,29.95 J5#21.1 ; 57.55,29.95 J5#21.1 ; 57.55,29.95 J5#21.1 ; J8#21.1 55.65,30 ; J8#21.1 55.65,30 ; J8#21.1 55.65,30 ; J8#21.1 55.65,30 ; 55.65,30 55.2,29.55 ; 55.65,30 55.2,29.55 ; 55.65,30 55.2,29.55 ; 55.65,30 55.2,29.55 ; 55.2,29.55 55.2,19.68 ; 55.2,29.55 55.2,19.68 ; 55.2,29.55 55.2,19.68 ; 55.2,29.55 55.2,19.68 ; 55.2,19.68 52.85,17.33 ; 55.2,19.68 52.85,17.33 ; 55.2,19.68 52.85,17.33 ; 55.2,19.68 52.85,17.33 ; 52.85,17.33 52.85,13.92 ; 52.85,17.33 52.85,13.92 ; 52.85,17.33 52.85,13.92 ; 52.85,17.33 52.85,13.92 ; 52.85,13.92 50.23,11.3 ; 52.85,13.92 50.23,11.3 ; 52.85,13.92 50.23,11.3 ; 52.85,13.92 50.23,11.3 ; 50.23,11.3 48.7,11.3 ; 50.23,11.3 48.7,11.3 ; 50.23,11.3 48.7,11.3 ; 50.23,11.3 48.7,11.3 ; 48.7,11.3 48.11,11.89 ; 48.7,11.3 48.11,11.89 ; 48.7,11.3 48.11,11.89 ; 48.7,11.3 48.11,11.89 ; 78.7,11.3 78.11,11.89 ; 78.7,11.3 78.11,11.89 ; 78.7,11.3 78.11,11.89 ; 78.7,11.3 78.11,11.89 ; 78.7,11.3 80.23,11.3 ; 78.7,11.3 80.23,11.3 ; 78.7,11.3 80.23,11.3 ; 78.7,11.3 80.23,11.3 ; 85.65,30 85.2,29.55 ; 85.65,30 85.2,29.55 ; 85.65,30 85.2,29.55 ; 85.65,30 J8#37.1 ; 85.65,30 J8#37.1 ; 85.65,30 J8#37.1 ; 85.65,30 J8#37.1 ; 85.65,30 85.2,29.55 ; J5#37.1 87.55,29.95 ; J5#37.1 87.55,29.95 ; J5#37.1 87.55,29.95 ; J5#37.1 87.55,29.95 ; 87.55,29.95 J8#37.1 ; 87.55,29.95 J8#37.1 ; 87.55,29.95 J8#37.1 ; 87.55,29.95 J8#37.1 ; 25.2,29.55 25.2,19.68 ; 25.2,29.55 25.65,30 ; 25.2,29.55 25.2,19.68 ; 25.2,29.55 25.2,19.68 ; 25.2,29.55 25.65,30 ; 25.2,29.55 25.65,30 ; 25.2,29.55 25.2,19.68 ; 25.2,29.55 25.65,30 ; 25.2,19.68 22.85,17.33 ; 25.2,19.68 22.85,17.33 ; 25.2,19.68 22.85,17.33 ; 25.2,19.68 22.85,17.33 ; 25.65,30 J8#24.1 ; 25.65,30 J8#24.1 ; 25.65,30 J8#24.1 ; 25.65,30 J8#24.1 ; J8#24.1 27.55,29.95 ; J8#24.1 27.55,29.95 ; J8#24.1 27.55,29.95 ; J8#24.1 27.55,29.95 ; 27.55,29.95 J5#25.1 ; 27.55,29.95 J5#25.1 ; 27.55,29.95 J5#25.1 ; 27.55,29.95 J5#25.1 ; 22.85,17.33 22.85,13.92 ; 22.85,17.33 22.85,13.92 ; 22.85,17.33 22.85,13.92 ; 22.85,17.33 22.85,13.92 ; 20.23,11.3 18.7,11.3 ; 20.23,11.3 22.85,13.92 ; 20.23,11.3 18.7,11.3 ; 20.23,11.3 22.85,13.92 ; 20.23,11.3 22.85,13.92 ; 20.23,11.3 18.7,11.3 ; 20.23,11.3 18.7,11.3 ; 20.23,11.3 22.85,13.92 ; 18.7,11.3 18.11,11.89 ; 18.7,11.3 18.11,11.89 ; 18.7,11.3 18.11,11.89 ; 18.7,11.3 18.11,11.89
